# Allegro board 8880F5-0822_7.brd (continued)
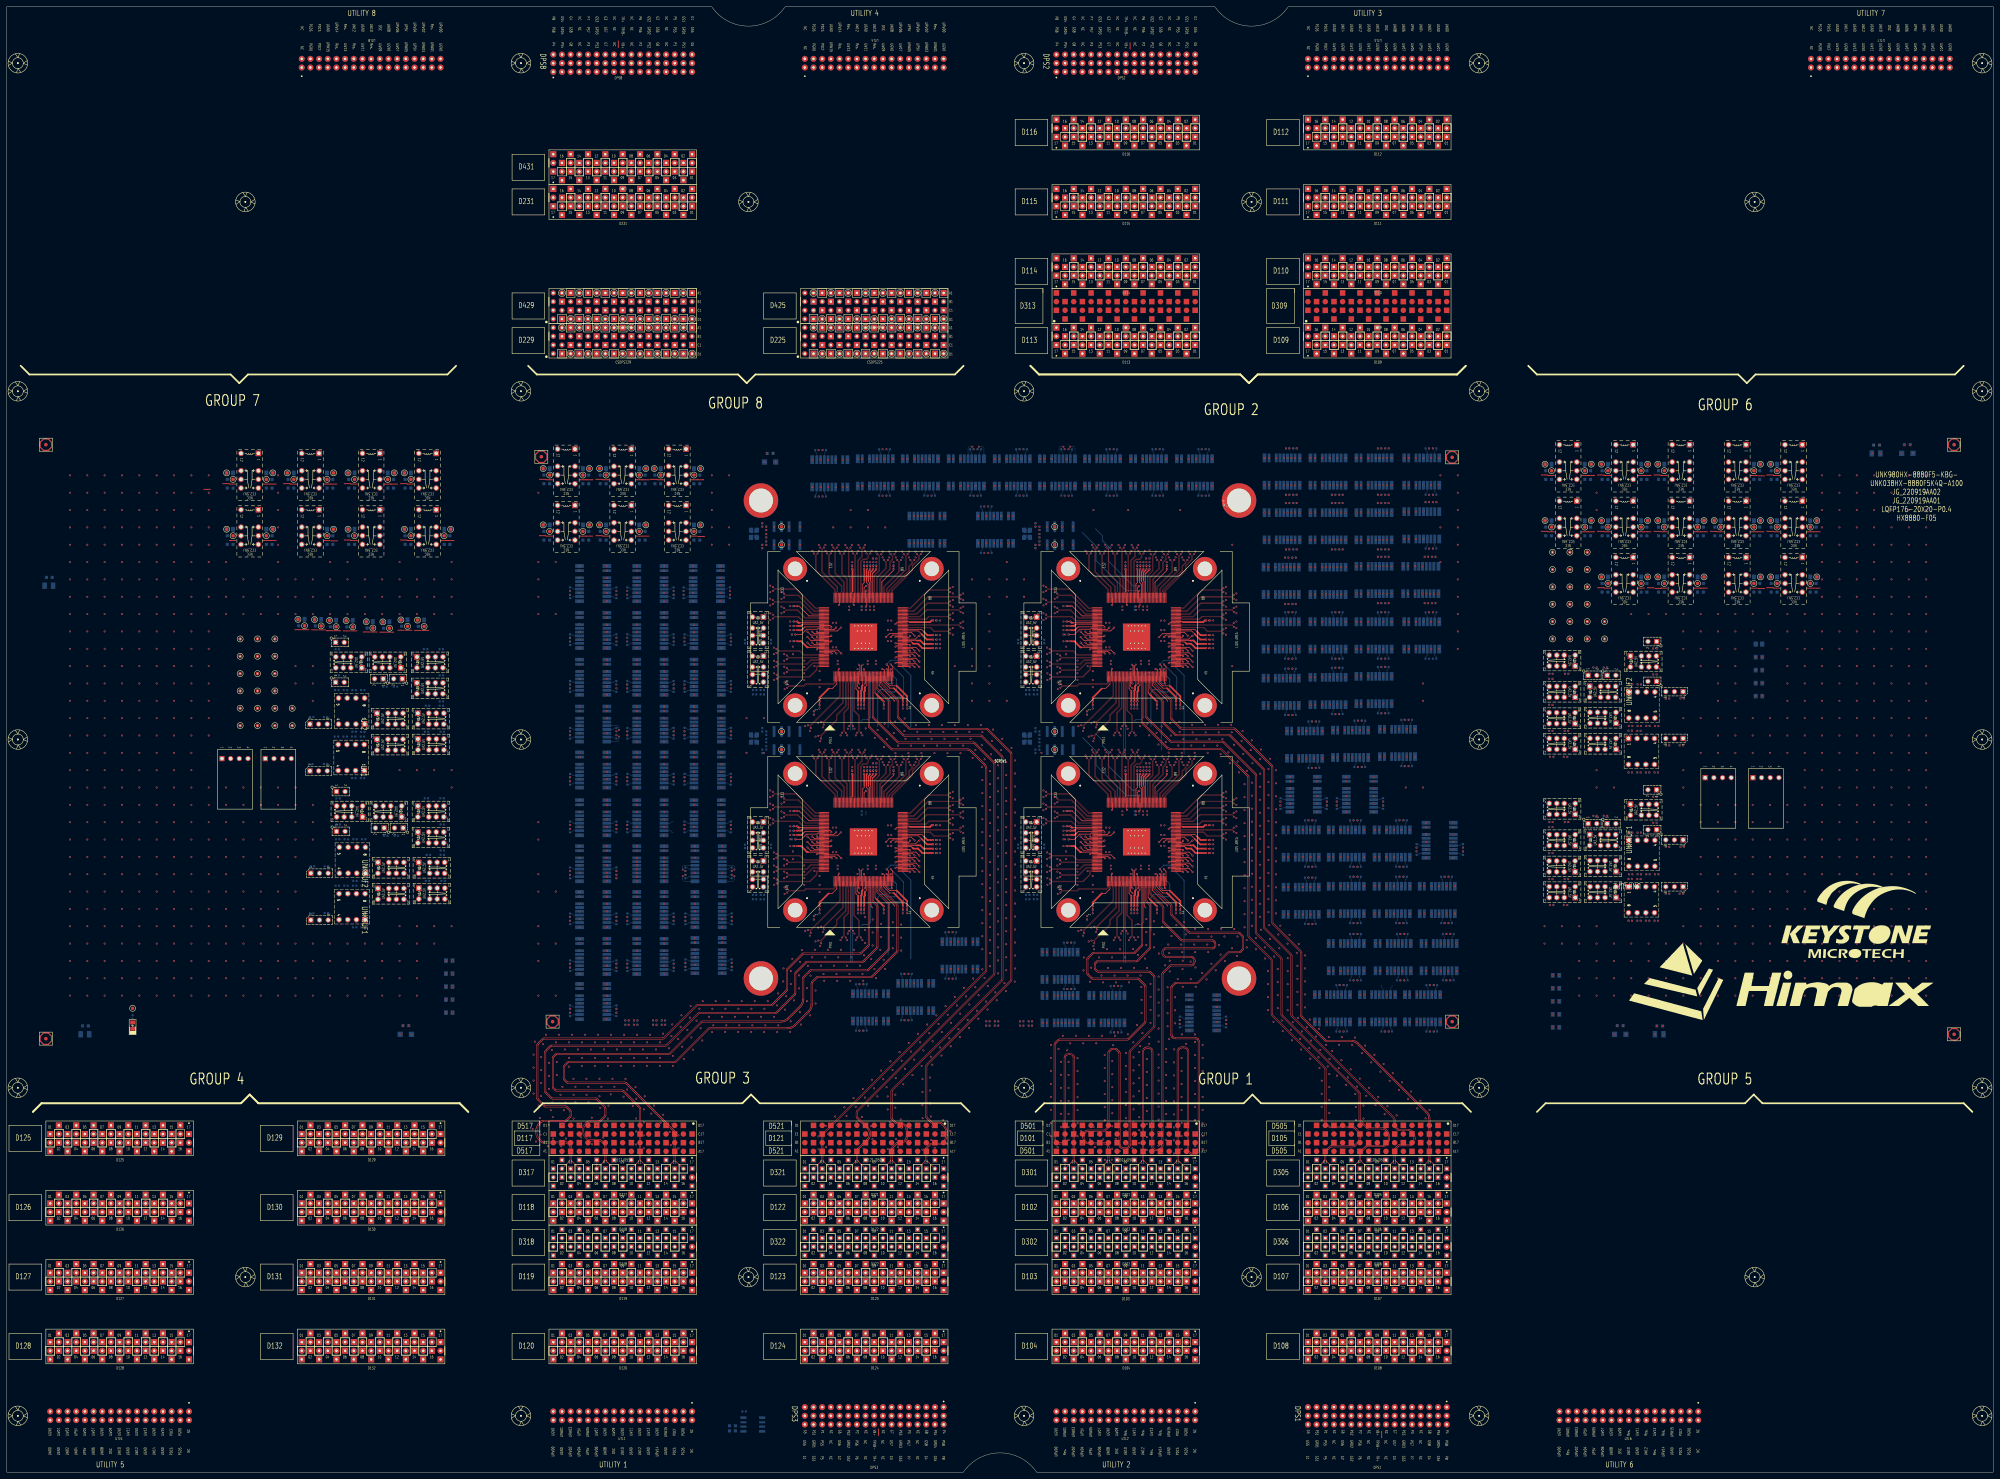
[diagram p0: board, top side]
## Placement (name value [footprint] x y rotation side) (continued)
NOREF#697  -  []  118.7 188.08 0 top
NOREF#698  -  []  420.15 131.34 90 top
NOREF#699  -  []  175.7 232.37 90 top
NOREF#700  -  []  419.73 131.89 90 top
NOREF#701  -  []  234.33 228.13 90 top
NOREF#702  -  []  184.47 242.78 90 top
NOREF#703  -  []  265.81 296.86 0 top
NOREF#704  -  []  124.64 171.1 0 top
NOREF#705  -  []  352.24 181.05 90 top
NOREF#706  -  []  165.8 171.96 90 top
NOREF#707  -  []  241.82 167.13 90 top
NOREF#708  -  []  471.11 186.77 0 top
NOREF#709  -  []  122.41 178.64 0 top
NOREF#710  -  []  249.28 163.82 90 top
NOREF#711  -  []  93.76 287.84 90 top
NOREF#712  -  []  257.09 224.74 90 top
NOREF#713  -  []  262.68 224.74 90 top
NOREF#714  -  []  118.33 286.94 90 top
NOREF#715  -  []  473.79 191.06 90 top
NOREF#716  -  []  250.73 265.55 0 top
NOREF#717  -  []  419.47 273.37 90 top
NOREF#718  -  []  256.45 224.72 0 top
NOREF#719  -  []  120.24 171.1 0 top
NOREF#720  -  []  272.24 241.05 90 top
NOREF#721  -  []  392.24 199.18 90 top
NOREF#722  -  []  422.7 163.64 0 top
NOREF#723  -  []  378.58 289.12 90 top
NOREF#724  -  []  396.55 241.11 0 top
NOREF#725  -  []  119.95 187.53 0 top
NOREF#726  -  []  313.22 288.31 90 top
NOREF#727  -  []  378.33 224.6 90 top
NOREF#728  -  []  75.98 273.87 90 top
NOREF#729  -  []  405.51 217.61 0 top
NOREF#730  -  []  230.73 246.66 0 top
NOREF#731  -  []  422.95 163.69 90 top
NOREF#732  -  []  394 217.36 0 top
NOREF#733  -  []  351.04 242.96 0 top
NOREF#734  -  []  215.96 177.06 0 top
NOREF#735  -  []  259.45 288.86 90 top
NOREF#736  -  []  290.11 280.1 0 top
NOREF#737  -  []  107.76 238.84 0 top
NOREF#738  -  []  331.38 163.52 90 top
NOREF#739  -  []  247.25 265.55 0 top
NOREF#740  -  []  518.38 290.38 90 top
NOREF#741  -  []  339.89 288.41 90 top
NOREF#742  -  []  397.57 131.89 0 top
NOREF#743  -  []  167.7 206.29 90 top
NOREF#744  -  []  393.19 271.21 90 top
NOREF#745  -  []  311.69 288.91 90 top
NOREF#746  -  []  317.05 288.86 0 top
NOREF#747  -  []  463.61 171.53 0 top
NOREF#748  -  []  410.52 241.11 0 top
NOREF#749  -  []  175.7 222.95 90 top
NOREF#750  -  []  168.13 145.38 90 top
NOREF#751  -  []  375.22 163.39 0 top
NOREF#752  -  []  239.4 296.61 0 top
NOREF#753  -  []  119.7 231.22 0 top
NOREF#754  -  []  332.83 264.65 90 top
NOREF#755  -  []  380.59 287.22 0 top
NOREF#756  -  []  310.83 224.63 0 top
NOREF#757  -  []  262.36 225.04 90 top
NOREF#758  -  []  403.99 180.15 0 top
NOREF#759  -  []  343.2 172.26 90 top
NOREF#760  -  []  342.04 164.72 0 top
NOREF#761  -  []  477.24 195.66 0 top
NOREF#762  -  []  264.29 272.1 90 top
NOREF#763  -  []  418.37 241.16 90 top
NOREF#764  -  []  118.7 195.7 0 top
NOREF#765  -  []  293.66 272.15 90 top
NOREF#766  -  []  351.34 189.5 0 top
NOREF#767  -  []  405.93 256.92 90 top
NOREF#768  -  []  419.9 288.57 90 top
NOREF#769  -  []  167.7 242.78 90 top
NOREF#770  -  []  329.6 224.74 90 top
NOREF#771  -  []  450.03 210.36 0 top
NOREF#772  -  []  406.65 255.47 90 top
NOREF#773  -  []  369.38 257.11 0 top
NOREF#774  -  []  272.24 184.86 90 top
NOREF#775  -  []  471.21 219.38 0 top
NOREF#776  -  []  369.63 289.12 0 top
NOREF#777  -  []  396.55 257.37 0 top
NOREF#778  -  []  383.09 224.85 0 top
NOREF#779  -  []  303.56 245.29 90 top
NOREF#780  -  []  184.47 176.66 90 top
NOREF#781  -  []  330.73 205.56 0 top
NOREF#782  -  []  318.3 223.52 90 top
NOREF#783  -  []  305.94 288.86 0 top
NOREF#784  -  []  201.23 227.72 90 top
NOREF#785  -  []  310.73 183.41 0 top
NOREF#786  -  []  342.68 224.74 90 top
NOREF#787  -  []  201.23 227.72 0 top
NOREF#788  -  []  122.19 247.3 90 top
NOREF#789  -  []  242.23 233.13 90 top
NOREF#790  -  []  465.81 214.96 0 top
NOREF#791  -  []  412.62 249.11 0 top
NOREF#792  -  []  390.69 273.11 0 top
NOREF#793  -  []  473.6 206.05 90 top
NOREF#794  -  []  393.74 131.34 90 top
NOREF#795  -  []  376.23 209.11 0 top
NOREF#796  -  []  339.33 265.56 0 top
NOREF#797  -  []  401.89 163.64 0 top
NOREF#798  -  []  352.24 189.18 90 top
NOREF#799  -  []  404.24 146.88 0 top
NOREF#800  -  []  518.38 257.36 90 top
NOREF#801  -  []  385.18 209.11 90 top
NOREF#802  -  []  250.17 165.04 90 top
NOREF#803  -  []  471.11 230.2 0 top
NOREF#804  -  []  369.63 289.12 0 top
NOREF#805  -  []  413.71 148.15 90 top
NOREF#806  -  []  100.73 238.84 0 top
NOREF#807  -  []  200.98 256.5 90 top
NOREF#808  -  []  317.98 225.04 90 top
NOREF#809  -  []  393.19 239.21 90 top
NOREF#810  -  []  465.31 186.77 0 top
NOREF#811  -  []  304.61 131.64 0 top
NOREF#812  -  []  398.65 233.11 0 top
NOREF#813  -  []  399.39 161.74 0 top
NOREF#814  -  []  194.09 187.32 90 top
NOREF#815  -  []  177.33 228.47 90 top
NOREF#816  -  []  310.43 253.37 90 top
NOREF#817  -  []  230.43 193.37 90 top
NOREF#818  -  []  409.99 146.93 90 top
NOREF#819  -  []  116.27 171.02 0 top
NOREF#820  -  []  351.83 288.91 90 top
NOREF#821  -  []  254.29 264.35 90 top
NOREF#822  -  []  404.24 154.88 0 top
NOREF#823  -  []  473.79 239.64 0 top
NOREF#824  -  []  221.56 250.49 0 top
NOREF#825  -  []  261.21 286.96 0 top
NOREF#826  -  []  119.95 195.15 0 top
NOREF#827  -  []  253.72 204.65 90 top
NOREF#828  -  []  230.83 164.63 0 top
NOREF#829  -  []  383.09 289.12 0 top
NOREF#830  -  []  167.7 159.65 0 top
NOREF#831  -  []  119.7 231.22 0 top
NOREF#832  -  []  331.62 205.55 0 top
NOREF#833  -  []  342.36 225.04 90 top
NOREF#834  -  []  230.73 247.93 0 top
NOREF#835  -  []  385.19 289.12 0 top
NOREF#836  -  []  398.65 265.37 0 top
NOREF#837  -  []  453.88 195.91 0 top
NOREF#838  -  []  237.98 223.82 90 top
NOREF#839  -  []  479.44 239.09 0 top
NOREF#840  -  []  167.7 187.92 90 top
NOREF#841  -  []  263.31 164.74 0 top
NOREF#842  -  []  412.37 257.37 0 top
NOREF#843  -  []  303.56 185.29 90 top
NOREF#844  -  []  167.7 178.86 90 top
NOREF#845  -  []  396.55 225.11 0 top
NOREF#846  -  []  314.55 286.96 0 top
NOREF#847  -  []  236.27 289.16 90 top
NOREF#848  -  []  471.59 130.36 90 top
NOREF#849  -  []  302.11 192.14 0 top
NOREF#850  -  []  408.63 290.39 90 top
NOREF#851  -  []  298.13 214.06 90 top
NOREF#852  -  []  118.33 271.33 90 top
NOREF#853  -  []  272.55 181.37 0 top
NOREF#854  -  []  289.29 296.86 0 top
NOREF#855  -  []  230.41 243.09 90 top
NOREF#856  -  []  167.7 204.09 90 top
NOREF#857  -  []  263.95 223.52 90 top
NOREF#858  -  []  400.54 188.15 0 top
NOREF#859  -  []  167.7 241.43 90 top
NOREF#860  -  []  260.99 143.19 0 top
NOREF#861  -  []  380.59 271.21 0 top
NOREF#862  -  []  251.22 253.63 0 top
NOREF#863  -  []  248.33 247.93 0 top
NOREF#864  -  []  399.99 181.42 90 top
NOREF#865  -  []  482.64 235.89 90 top
NOREF#866  -  []  192.47 209.49 90 top
NOREF#867  -  []  165.8 185.42 0 top
NOREF#868  -  []  344.37 128.27 0 top
NOREF#869  -  []  313.22 288.41 90 top
NOREF#870  -  []  377.23 289.12 0 top
NOREF#871  -  []  329.28 223.82 90 top
NOREF#872  -  []  354.37 130.67 90 top
NOREF#873  -  []  199.33 226.57 90 top
NOREF#874  -  []  112.41 214.71 0 top
NOREF#875  -  []  333.4 205.56 0 top
NOREF#876  -  []  331.06 165.04 90 top
NOREF#877  -  []  451.64 222.5 0 top
NOREF#878  -  []  375.73 193.43 90 top
NOREF#879  -  []  332.83 265.86 90 top
NOREF#880  -  []  166.06 243.9 90 top
NOREF#881  -  []  155.57 291.65 90 top
NOREF#882  -  []  410.52 289.12 0 top
NOREF#883  -  []  463.61 214.96 0 top
NOREF#884  -  []  398.65 297.12 0 top
NOREF#885  -  []  387.8 210.63 90 top
NOREF#886  -  []  352.25 185.5 0 top
NOREF#887  -  []  388.43 146.88 0 top
NOREF#888  -  []  450.03 191.31 0 top
NOREF#889  -  []  383.09 241.11 0 top
NOREF#890  -  []  451.68 186.77 0 top
NOREF#891  -  []  175.7 209.49 90 top
NOREF#892  -  []  340.83 234.63 90 top
NOREF#893  -  []  295.96 188.49 0 top
NOREF#894  -  []  379 272.56 90 top
NOREF#895  -  []  377.32 188.15 0 top
NOREF#896  -  []  451.68 214.96 0 top
NOREF#897  -  []  263.95 224.74 90 top
NOREF#898  -  []  199.33 240.28 0 top
NOREF#899  -  []  192.47 195.52 90 top
NOREF#900  -  []  330.73 205.55 0 top
NOREF#901  -  []  404.15 241.11 0 top
NOREF#902  -  []  249.6 223.52 90 top
NOREF#903  -  []  410.52 273.37 0 top
NOREF#904  -  []  460.93 234.74 90 top
NOREF#905  -  []  184.47 151.68 90 top
NOREF#906  -  []  384.17 180.15 90 top
NOREF#907  -  []  379.52 171.39 0 top
NOREF#908  -  []  240.5 288.61 0 top
NOREF#909  -  []  250.17 163.82 90 top
NOREF#910  -  []  397.3 209.36 0 top
NOREF#911  -  []  456.08 239.34 0 top
NOREF#912  -  []  199.59 145.03 90 top
NOREF#913  -  []  230.43 194.01 0 top
NOREF#914  -  []  254.61 204.65 90 top
NOREF#915  -  []  106.03 217.88 90 top
NOREF#916  -  []  341.63 233.83 90 top
NOREF#917  -  []  299.81 273.69 90 top
NOREF#918  -  []  108.01 214.71 0 top
NOREF#919  -  []  257.9 186.35 90 top
NOREF#920  -  []  305.94 296.86 0 top
NOREF#921  -  []  201.21 276.04 90 top
NOREF#922  -  []  331.05 205.86 90 top
NOREF#923  -  []  390.53 154.88 0 top
NOREF#924  -  []  380.59 255.21 0 top
NOREF#925  -  []  339.33 205.56 90 top
NOREF#926  -  []  327.89 264.35 90 top
NOREF#927  -  []  306.27 216.63 90 top
NOREF#928  -  []  118.33 273.87 90 top
NOREF#929  -  []  226.27 156.63 90 top
NOREF#930  -  []  309.51 187.93 0 top
NOREF#931  -  []  230.43 248.88 0 top
NOREF#932  -  []  192.57 201.79 90 top
NOREF#933  -  []  288.74 290.13 90 top
NOREF#934  -  []  412.79 209.16 90 top
NOREF#935  -  []  216.96 180.71 0 top
NOREF#936  -  []  406.65 239.21 90 top
NOREF#937  -  []  263.44 135.19 0 top
NOREF#938  -  []  230.43 186.34 0 top
NOREF#939  -  []  266.74 143.19 0 top
NOREF#940  -  []  262.36 163.82 90 top
NOREF#941  -  []  310.43 183.09 0 top
NOREF#942  -  []  351.04 245.5 0 top
NOREF#943  -  []  371.73 297.12 0 top
NOREF#944  -  []  247.57 264.65 90 top
NOREF#945  -  []  339.65 264.65 90 top
NOREF#946  -  []  201.49 151.93 90 top
NOREF#947  -  []  405.5 241.11 90 top
NOREF#948  -  []  394.66 242.38 90 top
NOREF#949  -  []  331.05 264.65 90 top
NOREF#950  -  []  378.75 240.56 90 top
NOREF#951  -  []  351.04 182.96 0 top
NOREF#952  -  []  330.73 265.56 0 top
NOREF#953  -  []  230.43 246.34 0 top
NOREF#954  -  []  167.7 173.11 90 top
NOREF#955  -  []  305.83 204.31 0 top
NOREF#956  -  []  251.62 265.56 90 top
NOREF#957  -  []  254.29 265.55 0 top
NOREF#958  -  []  225.83 264.31 0 top
NOREF#959  -  []  271.04 244.23 0 top
NOREF#960  -  []  252.83 265.86 90 top
NOREF#961  -  []  253.72 265.86 90 top
NOREF#962  -  []  451.68 195.91 0 top
NOREF#963  -  []  303.26 152.34 0 top
NOREF#964  -  []  417.87 257.37 0 top
NOREF#965  -  []  387.39 249.11 0 top
NOREF#966  -  []  381.74 297.12 0 top
NOREF#967  -  []  257.09 223.52 90 top
NOREF#968  -  []  339.33 265.55 0 top
NOREF#969  -  []  343.63 223.82 90 top
NOREF#970  -  []  327.25 205.55 0 top
NOREF#971  -  []  385.19 297.12 0 top
NOREF#972  -  []  273.95 147.38 90 top
NOREF#973  -  []  381.2 274.38 90 top
NOREF#974  -  []  334.29 204.35 90 top
NOREF#975  -  []  330.74 164.72 0 top
NOREF#976  -  []  168.13 254.6 90 top
NOREF#977  -  []  303.84 288.86 0 top
NOREF#978  -  []  355.89 130.17 90 top
NOREF#979  -  []  110.21 214.71 0 top
NOREF#980  -  []  388.43 163.64 0 top
NOREF#981  -  []  450.03 234.74 0 top
NOREF#982  -  []  478.57 291.28 90 top
NOREF#983  -  []  259.33 265.55 0 top
NOREF#984  -  []  101.29 247.16 90 top
NOREF#985  -  []  167.7 229.07 90 top
NOREF#986  -  []  209.49 164.3 90 top
NOREF#987  -  []  199.84 175.58 90 top
NOREF#988  -  []  343.98 288.86 0 top
NOREF#989  -  []  167.7 256.5 90 top
NOREF#990  -  []  395.2 281.11 0 top
NOREF#991  -  []  317.57 269.63 90 top
NOREF#992  -  []  309.21 247.61 0 top
NOREF#993  -  []  396.55 289.12 0 top
NOREF#994  -  []  124.35 222.33 0 top
NOREF#995  -  []  254.29 205.55 0 top
NOREF#996  -  []  463.61 214.96 0 top
NOREF#997  -  []  302.11 129.74 0 top
NOREF#998  -  []  327.7 131.19 90 top
NOREF#999  -  []  230.43 243.09 0 top
NOREF#1000  -  []  352.25 184.86 90 top
NOREF#1001  -  []  465.81 171.53 0 top
NOREF#1002  -  []  184.47 260.9 90 top
NOREF#1003  -  []  295.19 271.65 90 top
NOREF#1004  -  []  253.4 205.55 0 top
NOREF#1005  -  []  168.13 240.88 90 top
NOREF#1006  -  []  201.49 173.11 0 top
NOREF#1007  -  []  184.47 219.75 90 top
NOREF#1008  -  []  234.7 286.71 90 top
NOREF#1009  -  []  407.77 255.47 0 top
NOREF#1010  -  []  184.47 192.32 90 top
NOREF#1011  -  []  330.51 288.86 0 top
NOREF#1012  -  []  471.21 211.76 0 top
NOREF#1013  -  []  128.05 273.87 90 top
NOREF#1014  -  []  209.23 246.08 90 top
NOREF#1015  -  []  528.1 259.9 90 top
NOREF#1016  -  []  383.09 224.85 0 top
NOREF#1017  -  []  200.98 260.9 90 top
NOREF#1018  -  []  118.7 182.93 90 top
NOREF#1019  -  []  339.33 265.56 90 top
NOREF#1020  -  []  415.6 146.88 0 top
NOREF#1021  -  []  317.98 163.82 90 top
NOREF#1022  -  []  188.08 291.65 90 top
NOREF#1023  -  []  312.46 131.69 90 top
NOREF#1024  -  []  194.09 214.75 90 top
NOREF#1025  -  []  118.45 231.77 0 top
NOREF#1026  -  []  201.23 247.18 90 top
NOREF#1027  -  []  319.33 243.63 90 top
NOREF#1028  -  []  256.77 225.04 90 top
NOREF#1029  -  []  238.45 257.01 0 top
NOREF#1030  -  []  386.46 131.89 0 top
NOREF#1031  -  []  201.49 165.4 90 top
NOREF#1032  -  []  182.57 158.5 90 top
NOREF#1033  -  []  405.5 225.11 90 top
NOREF#1034  -  []  511.59 293.82 90 top
NOREF#1035  -  []  115.36 235.64 0 top
NOREF#1036  -  []  311.44 288.86 0 top
NOREF#1037  -  []  107.02 171.57 0 top
NOREF#1038  -  []  177.33 146.68 90 top
NOREF#1039  -  []  246.67 288.16 90 top
NOREF#1040  -  []  352.55 189.5 0 top
NOREF#1041  -  []  201.49 161 90 top
NOREF#1042  -  []  297.83 234.63 90 top
NOREF#1043  -  []  398.53 144.98 90 top
NOREF#1044  -  []  264.72 272.65 90 top
NOREF#1045  -  []  402.06 217.61 0 top
NOREF#1046  -  []  184.47 200.54 0 top
NOREF#1047  -  []  253.4 265.55 0 top
NOREF#1048  -  []  371.48 257.11 0 top
NOREF#1049  -  []  408.02 239.21 0 top
NOREF#1050  -  []  473.79 196.21 0 top
NOREF#1051  -  []  271.34 181.37 0 top
NOREF#1052  -  []  351.04 189.82 0 top
NOREF#1053  -  []  330.73 265.55 0 top
NOREF#1054  -  []  308.36 202.16 45 top
NOREF#1055  -  []  271.04 189.18 0 top
NOREF#1056  -  []  471.21 175.95 90 top
NOREF#1057  -  []  282.9 147.38 0 top
NOREF#1058  -  []  396.55 289.12 0 top
NOREF#1059  -  []  127.81 175.44 90 top
NOREF#1060  -  []  383.09 224.85 0 top
NOREF#1061  -  []  222.11 180.71 0 top
NOREF#1062  -  []  182.57 240.28 90 top
NOREF#1063  -  []  299.59 288.86 90 top
NOREF#1064  -  []  168.13 227.17 90 top
NOREF#1065  -  []  331.38 224.74 90 top
NOREF#1066  -  []  310.41 193.37 90 top
NOREF#1067  -  []  451.64 179.06 0 top
NOREF#1068  -  []  376.98 257.11 0 top
NOREF#1069  -  []  234.7 298.51 0 top
NOREF#1070  -  []  351.58 288.86 0 top
NOREF#1071  -  []  406.44 154.88 0 top
NOREF#1072  -  []  108.27 178.64 0 top
NOREF#1073  -  []  199.33 199.39 0 top
NOREF#1074  -  []  201.49 178.86 90 top
NOREF#1075  -  []  320.42 131.64 0 top
NOREF#1076  -  []  392.04 289.12 90 top
NOREF#1077  -  []  167.7 173.11 0 top
NOREF#1078  -  []  473.7 219.66 90 top
NOREF#1079  -  []  167.7 190.12 90 top
NOREF#1080  -  []  229.51 187.93 0 top
NOREF#1081  -  []  263.71 288.86 0 top
NOREF#1082  -  []  272.55 185.18 0 top
NOREF#1083  -  []  310.43 243.09 90 top
NOREF#1084  -  []  216.96 240.71 0 top
NOREF#1085  -  []  423.2 146.88 0 top
NOREF#1086  -  []  184.47 255.15 0 top
NOREF#1087  -  []  483.04 239.09 0 top
NOREF#1088  -  []  175.7 162.1 90 top
NOREF#1089  -  []  257.9 246.35 90 top
NOREF#1090  -  []  373.93 281.11 0 top
NOREF#1091  -  []  120.21 178.64 0 top
NOREF#1092  -  []  310.41 186.34 90 top
NOREF#1093  -  []  217.71 216.09 0 top
NOREF#1094  -  []  377.48 273.16 90 top
NOREF#1095  -  []  219.76 297.18 0 top
NOREF#1096  -  []  332.83 204.65 90 top
NOREF#1097  -  []  119.95 195.15 0 top
NOREF#1098  -  []  377.23 273.11 0 top
NOREF#1099  -  []  409.49 180.15 0 top
NOREF#1100  -  []  238.3 224.74 90 top
NOREF#1101  -  []  400.24 202.38 90 top
NOREF#1102  -  []  167.7 192.32 90 top
NOREF#1103  -  []  405.5 289.12 90 top
NOREF#1104  -  []  309.21 193.37 0 top
NOREF#1105  -  []  460.93 210.36 90 top
NOREF#1106  -  []  463.61 222.58 0 top
NOREF#1107  -  []  175.7 189.02 90 top
NOREF#1108  -  []  286.81 272.1 0 top
NOREF#1109  -  []  412.88 139.89 0 top
NOREF#1110  -  []  322.23 173.13 90 top
NOREF#1111  -  []  230.73 193.69 0 top
NOREF#1112  -  []  331.06 163.82 90 top
NOREF#1113  -  []  215.96 188.49 0 top
NOREF#1114  -  []  310.43 188.88 0 top
NOREF#1115  -  []  279.7 155.38 0 top
NOREF#1116  -  []  251.94 265.86 90 top
NOREF#1117  -  []  216.96 192.14 0 top
NOREF#1118  -  []  463.61 179.15 0 top
NOREF#1119  -  []  184.47 215.35 90 top
NOREF#1120  -  []  327.25 265.56 0 top
NOREF#1121  -  []  254.29 204.35 90 top
NOREF#1122  -  []  327.25 265.55 0 top
NOREF#1123  -  []  260.99 135.19 90 top
NOREF#1124  -  []  251.05 204.65 90 top
NOREF#1125  -  []  306.71 144.34 0 top
NOREF#1126  -  []  309.51 186.66 0 top
NOREF#1127  -  []  272.25 181.05 90 top
NOREF#1128  -  []  330.17 223.82 90 top
NOREF#1129  -  []  463.11 186.77 0 top
NOREF#1130  -  []  108.01 222.33 0 top
NOREF#1131  -  []  334.61 264.65 90 top
NOREF#1132  -  []  367.73 290.39 90 top
NOREF#1133  -  []  184.47 227.72 90 top
NOREF#1134  -  []  210.86 228.47 90 top
NOREF#1135  -  []  273.24 272.1 0 top
NOREF#1136  -  []  310.41 253.37 90 top
NOREF#1137  -  []  115.61 191.95 90 top
NOREF#1138  -  []  327.25 205.56 90 top
NOREF#1139  -  []  272.8 157.28 0 top
NOREF#1140  -  []  453.88 186.77 0 top
NOREF#1141  -  []  331.54 252.73 90 top
NOREF#1142  -  []  381.2 226.12 90 top
NOREF#1143  -  []  339.33 204.35 90 top
NOREF#1144  -  []  310.43 243.09 0 top
NOREF#1145  -  []  352.25 242.32 90 top
NOREF#1146  -  []  383.01 139.89 0 top
NOREF#1147  -  []  411.26 179.7 90 top
NOREF#1148  -  []  244.8 288.61 0 top
NOREF#1149  -  []  410.52 273.37 0 top
NOREF#1150  -  []  329.6 223.52 90 top
NOREF#1151  -  []  456.08 171.53 0 top
NOREF#1152  -  []  410.52 241.11 0 top
NOREF#1153  -  []  251.06 223.82 90 top
NOREF#1154  -  []  247.25 205.55 0 top
NOREF#1155  -  []  390.53 188.15 0 top
NOREF#1156  -  []  272.55 189.5 0 top
NOREF#1157  -  []  392.47 272.66 90 top
NOREF#1158  -  []  309.51 246.66 0 top
NOREF#1159  -  []  322.23 233.13 90 top
NOREF#1160  -  []  409.43 139.89 0 top
NOREF#1161  -  []  459.28 192.71 0 top
NOREF#1162  -  []  263.14 282 0 top
NOREF#1163  -  []  386.53 148.15 90 top
NOREF#1164  -  []  352.25 241.05 90 top
NOREF#1165  -  []  230.43 246.34 90 top
NOREF#1166  -  []  247.89 264.35 90 top
NOREF#1167  -  []  175.7 205.19 90 top
NOREF#1168  -  []  266.74 272.1 0 top
NOREF#1169  -  []  238.3 223.52 90 top
NOREF#1170  -  []  413.1 144.98 0 top
NOREF#1171  -  []  330.73 264.35 90 top
NOREF#1172  -  []  106.18 160.58 90 top
NOREF#1173  -  []  209.23 236.67 90 top
NOREF#1174  -  []  182.82 162.12 90 top
NOREF#1175  -  []  229.51 246.66 0 top
NOREF#1176  -  []  298.13 214.06 0 top
NOREF#1177  -  []  223.56 173.86 90 top
NOREF#1178  -  []  397.8 179.7 90 top
NOREF#1179  -  []  230.43 187.61 0 top
NOREF#1180  -  []  175.7 236.67 90 top
NOREF#1181  -  []  232.25 211.67 90 top
NOREF#1182  -  []  346.69 128.87 90 top
NOREF#1183  -  []  410.52 241.11 0 top
NOREF#1184  -  []  328.33 247.93 0 top
NOREF#1185  -  []  262.34 143.19 0 top
NOREF#1186  -  []  192.47 168.6 90 top
NOREF#1187  -  []  295.96 237.06 0 top
NOREF#1188  -  []  388.43 146.88 0 top
NOREF#1189  -  []  354.27 131.87 90 top
NOREF#1190  -  []  390.94 241.16 90 top
NOREF#1191  -  []  253.4 264.35 90 top
NOREF#1192  -  []  175.8 215.25 90 top
NOREF#1193  -  []  229.05 271.67 0 top
NOREF#1194  -  []  301.56 171.46 0 top
NOREF#1195  -  []  184.89 213.45 90 top
NOREF#1196  -  []  314.33 228.13 90 top
NOREF#1197  -  []  192.47 205.19 90 top
NOREF#1198  -  []  377.23 241.16 90 top
NOREF#1199  -  []  249.15 296.86 0 top
NOREF#1200  -  []  420.88 129.99 90 top
NOREF#1201  -  []  465.81 179.15 0 top
NOREF#1202  -  []  199.59 145.03 0 top
NOREF#1203  -  []  251.62 204.35 90 top
NOREF#1204  -  []  230.41 248.88 90 top
NOREF#1205  -  []  194.09 146.68 90 top
NOREF#1206  -  []  326.23 233.13 0 top
NOREF#1207  -  []  247.25 265.56 0 top
NOREF#1208  -  []  168.69 273.5 90 top
NOREF#1209  -  []  224.65 271.67 0 top
NOREF#1210  -  []  118.99 171.65 0 top
NOREF#1211  -  []  460.93 225.6 90 top
NOREF#1212  -  []  104.18 191.95 90 top
NOREF#1213  -  []  320.83 254.63 0 top
NOREF#1214  -  []  209.49 175.56 90 top
NOREF#1215  -  []  250.73 265.56 90 top
NOREF#1216  -  []  167.7 151.68 90 top
NOREF#1217  -  []  256.77 223.82 90 top
NOREF#1218  -  []  168.13 172.56 90 top
NOREF#1219  -  []  127.95 195.15 0 top
NOREF#1220  -  []  394.05 255.47 0 top
NOREF#1221  -  []  106.76 217.73 90 top
NOREF#1222  -  []  118.45 239.39 0 top
NOREF#1223  -  []  175.7 216.45 90 top
NOREF#1224  -  []  217.41 273.24 90 top
NOREF#1225  -  []  319.15 288.86 0 top
NOREF#1226  -  []  201.23 215.35 90 top
NOREF#1227  -  []  230.73 249.2 0 top
NOREF#1228  -  []  165.8 185.42 90 top
NOREF#1229  -  []  192.47 257.6 90 top
NOREF#1230  -  []  302.11 252.14 0 top
NOREF#1231  -  []  327.25 265.56 90 top
NOREF#1232  -  []  115.19 128.27 0 top
NOREF#1233  -  []  383.73 198.08 90 top
NOREF#1234  -  []  122.15 187.53 0 top
NOREF#1235  -  []  330.18 242.88 0 top
NOREF#1236  -  []  250.18 242.88 0 top
NOREF#1237  -  []  182.82 175.58 90 top
NOREF#1238  -  []  223.56 185.29 90 top
NOREF#1239  -  []  211.11 146.93 90 top
NOREF#1240  -  []  251.38 223.52 90 top
NOREF#1241  -  []  467.51 186.77 0 top
NOREF#1242  -  []  272.24 182.32 90 top
NOREF#1243  -  []  115.61 211.51 90 top
NOREF#1244  -  []  271.04 242.96 0 top
NOREF#1245  -  []  327.25 265.55 0 top
NOREF#1246  -  []  339.97 264.35 90 top
NOREF#1247  -  []  468.01 179.15 0 top
NOREF#1248  -  []  263.95 163.52 90 top
NOREF#1249  -  []  235.85 296.61 0 top
NOREF#1250  -  []  265.64 280.1 0 top
NOREF#1251  -  []  396.55 257.37 0 top
NOREF#1252  -  []  409.74 163.69 90 top
NOREF#1253  -  []  329.6 163.52 90 top
NOREF#1254  -  []  182.57 212.85 90 top
NOREF#1255  -  []  461.96 217.98 0 top
NOREF#1256  -  []  184.47 229.07 90 top
NOREF#1257  -  []  396.03 146.88 0 top
NOREF#1258  -  []  310.43 186.34 90 top
NOREF#1259  -  []  259.33 205.56 0 top
NOREF#1260  -  []  309.05 211.67 0 top
NOREF#1261  -  []  387.2 207.46 0 top
NOREF#1262  -  []  239.33 176.03 90 top
NOREF#1263  -  []  351.34 182.64 0 top
NOREF#1264  -  []  398.65 281.11 0 top
NOREF#1265  -  []  343.95 223.52 90 top
NOREF#1266  -  []  295.96 237.06 0 top
NOREF#1267  -  []  253.4 204.35 90 top
NOREF#1268  -  []  310.73 187.93 0 top
NOREF#1269  -  []  392.47 240.56 90 top
NOREF#1270  -  []  166.06 135.19 90 top
NOREF#1271  -  []  381.86 129.99 0 top
NOREF#1272  -  []  468.01 222.58 0 top
NOREF#1273  -  []  250.74 164.72 0 top
NOREF#1274  -  []  242.23 173.13 0 top
NOREF#1275  -  []  383.09 289.12 0 top
NOREF#1276  -  []  106.76 222.88 0 top
NOREF#1277  -  []  460.93 166.93 90 top
NOREF#1278  -  []  218.16 188.49 0 top
NOREF#1279  -  []  412.88 131.89 0 top
NOREF#1280  -  []  124.61 178.64 0 top
NOREF#1281  -  []  124.35 187.53 0 top
NOREF#1282  -  []  450.03 182.17 0 top
NOREF#1283  -  []  333.4 204.35 90 top
NOREF#1284  -  []  401.89 180.15 0 top
NOREF#1285  -  []  184.47 255.15 90 top
NOREF#1286  -  []  415.61 179.97 90 top
NOREF#1287  -  []  313.56 144.34 90 top
NOREF#1288  -  []  242.23 233.13 0 top
NOREF#1289  -  []  184.47 247.18 90 top
NOREF#1290  -  []  404.4 273.16 90 top
NOREF#1291  -  []  167.7 214 0 top
NOREF#1292  -  []  182.57 185.42 90 top
NOREF#1293  -  []  392.47 256.56 90 top
NOREF#1294  -  []  381.2 258.38 90 top
NOREF#1295  -  []  251.86 192.43 90 top
NOREF#1296  -  []  310.73 186.66 0 top
NOREF#1297  -  []  338.2 246.67 0 top
NOREF#1298  -  []  391.96 131.89 0 top
NOREF#1299  -  []  410.52 289.12 0 top
NOREF#1300  -  []  306.27 156.63 90 top
NOREF#1301  -  []  165.8 131.57 90 top
NOREF#1302  -  []  250.17 223.82 90 top
NOREF#1303  -  []  352.55 243.91 0 top
NOREF#1304  -  []  199.08 254 0 top
NOREF#1305  -  []  271.04 181.69 0 top
NOREF#1306  -  []  398.65 289.12 0 top
NOREF#1307  -  []  177.33 201.29 90 top
NOREF#1308  -  []  272.25 189.18 90 top
NOREF#1309  -  []  199.59 158.5 0 top
NOREF#1310  -  []  460.89 174.46 90 top
NOREF#1311  -  []  302.49 296.86 0 top
NOREF#1312  -  []  229.51 253.69 0 top
NOREF#1313  -  []  511.59 273.87 90 top
NOREF#1314  -  []  310.43 248.88 90 top
NOREF#1315  -  []  410.27 257.37 0 top
NOREF#1316  -  []  310.73 247.93 0 top
NOREF#1317  -  []  262.68 164.74 90 top
NOREF#1318  -  []  465.81 222.58 0 top
NOREF#1319  -  []  385.93 178.25 0 top
NOREF#1320  -  []  327.7 131.09 90 top
NOREF#1321  -  []  312.21 144.34 0 top
NOREF#1322  -  []  313.56 131.64 90 top
NOREF#1323  -  []  330.17 225.04 90 top
NOREF#1324  -  []  459.24 219.3 90 top
NOREF#1325  -  []  253.4 265.56 90 top
NOREF#1326  -  []  199.33 212.85 0 top
NOREF#1327  -  []  317.98 165.04 90 top
NOREF#1328  -  []  167.7 163.2 90 top
NOREF#1329  -  []  251.62 265.56 0 top
NOREF#1330  -  []  230.73 249.2 0 top
NOREF#1331  -  []  317.98 223.82 90 top
NOREF#1332  -  []  404.4 225.16 90 top
NOREF#1333  -  []  112.67 178.64 0 top
NOREF#1334  -  []  75.98 271.33 90 top
NOREF#1335  -  []  399.39 178.25 0 top
NOREF#1336  -  []  379.01 272.66 90 top
NOREF#1337  -  []  340.61 286.96 90 top